# Allegro board meta_module_lay_rev1.brd (continued)
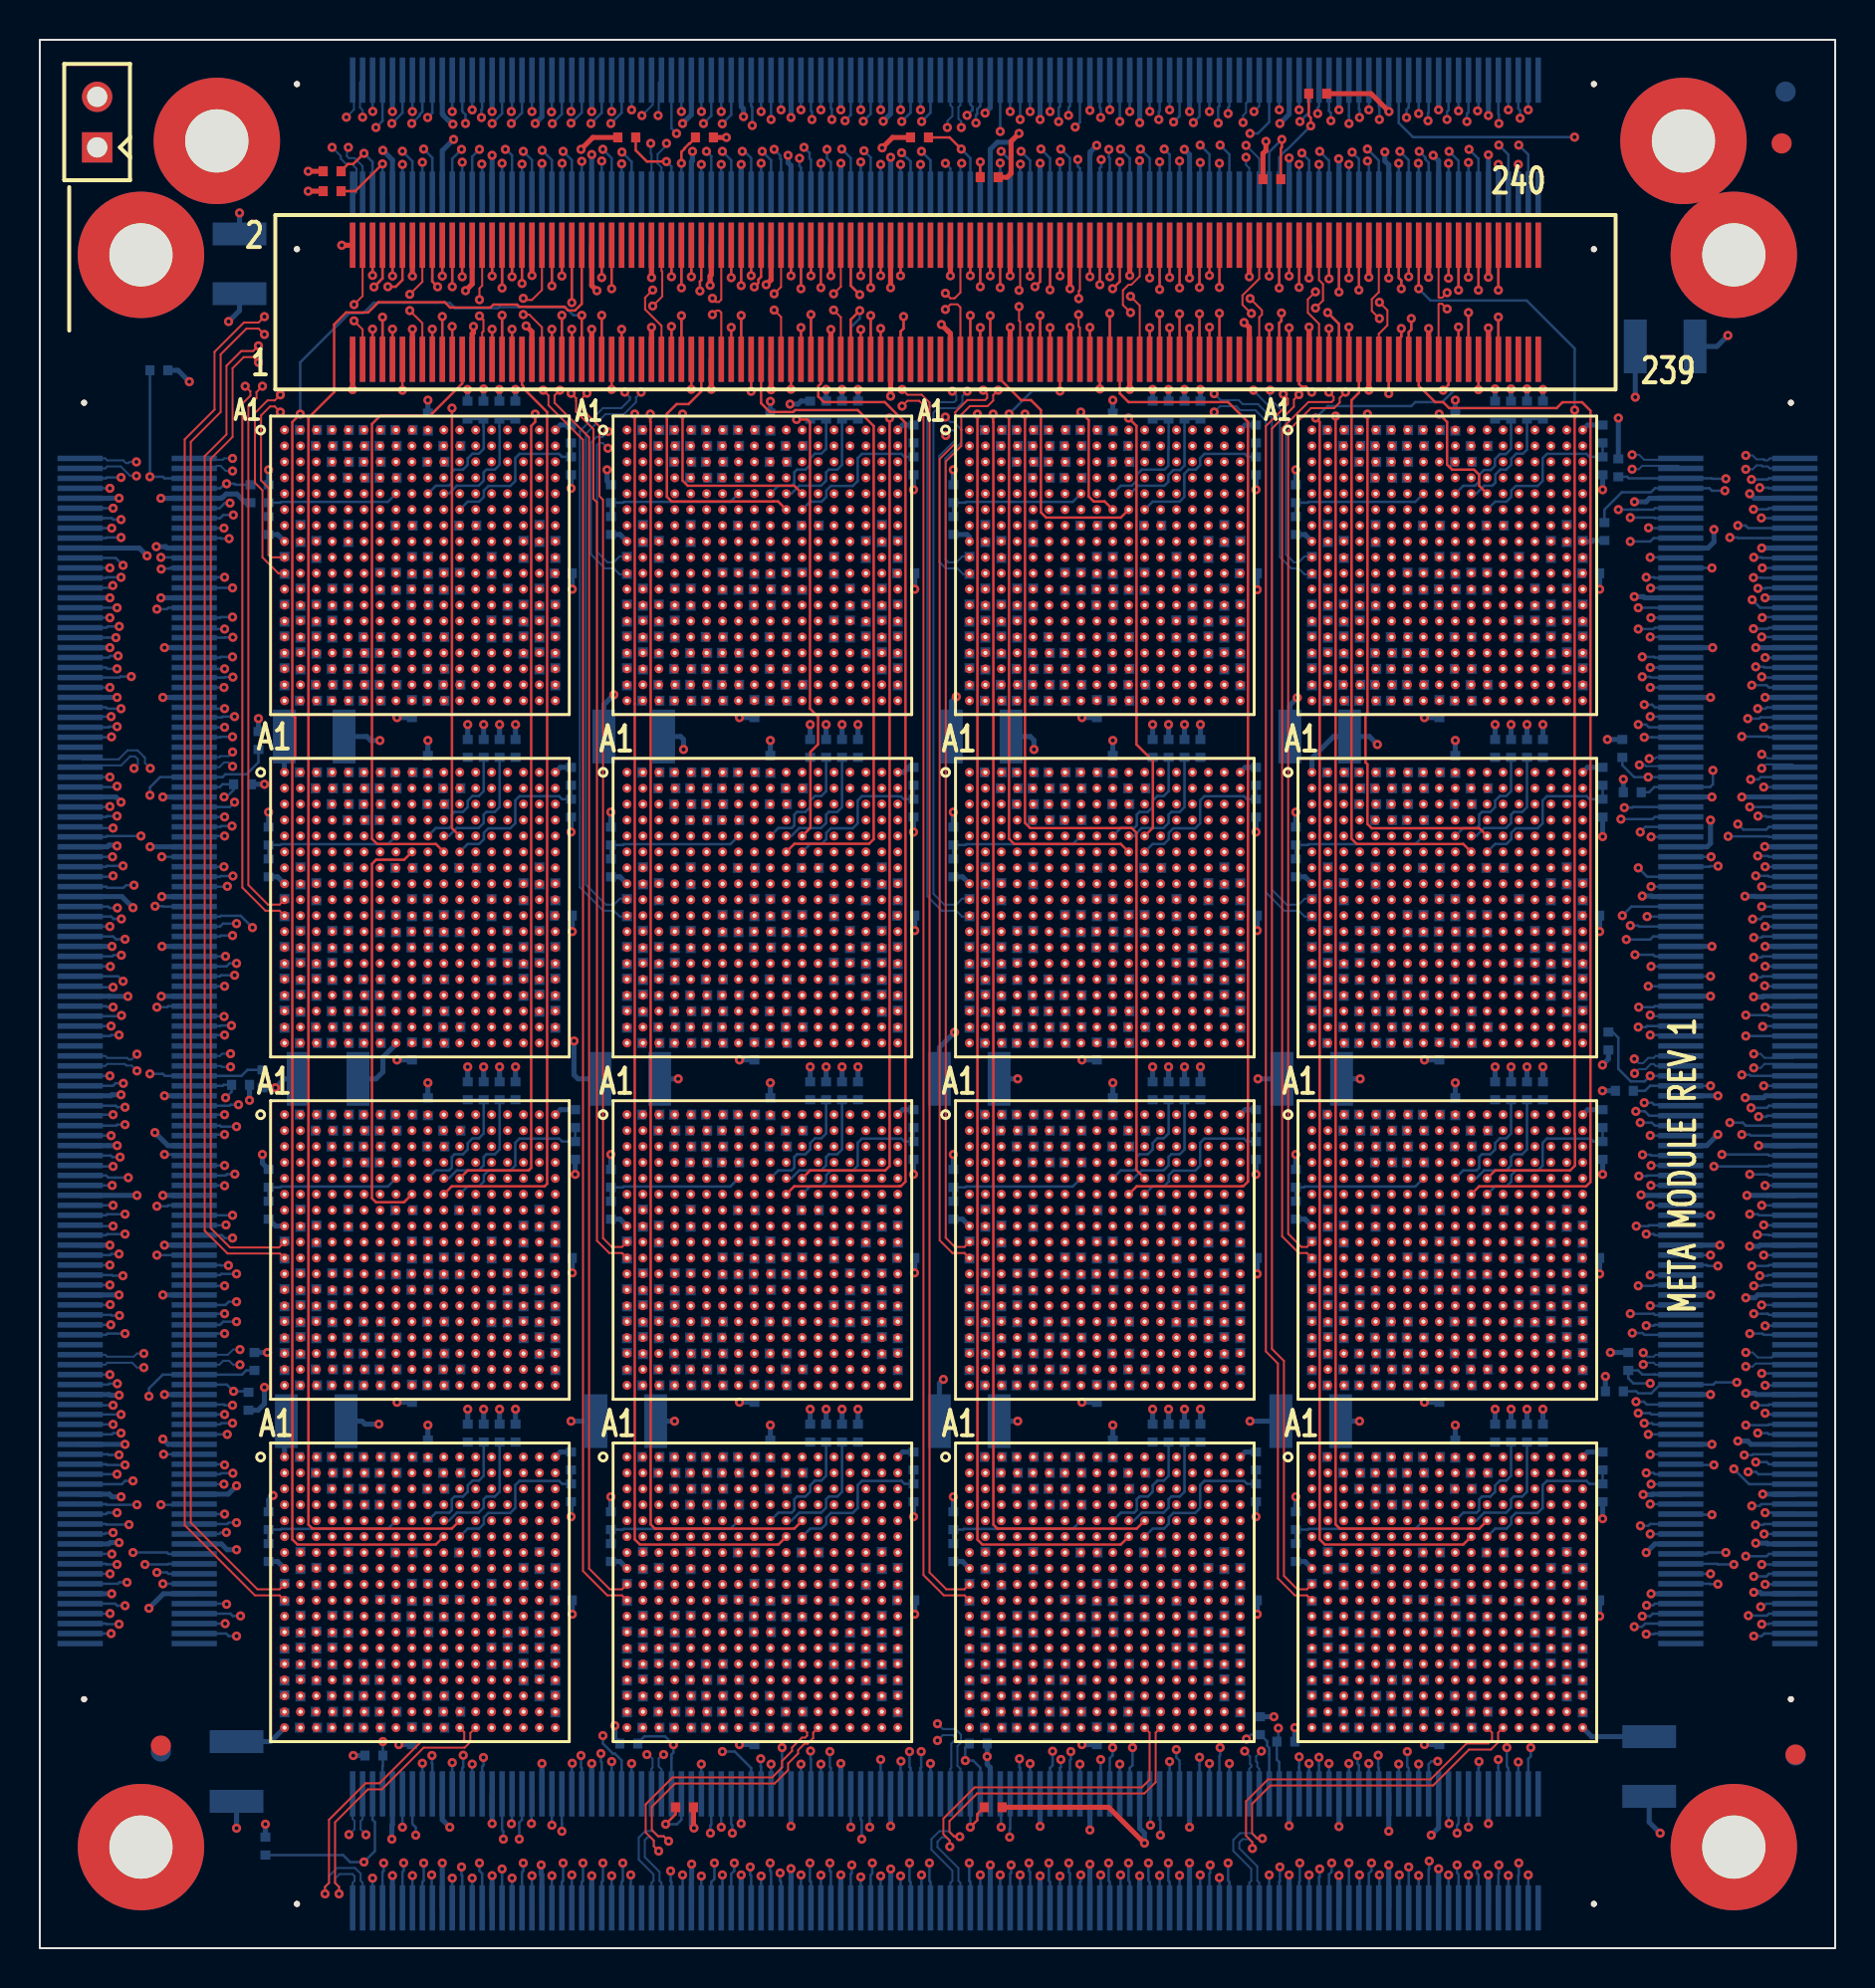
[diagram p0: board, top side]
## Nets (continued)
COLID1_SNOW4-3_TILE-3: R621.1 R625.2 U11.E11(COLID1)
COLID1_SNOW4-3_TILE-4: R678.1 R682.2 U12.E11(COLID1)
COLID1_SNOW4-4_TILE-1: R792.1 R796.2 U14.E11(COLID1)
COLID1_SNOW4-4_TILE-2: R735.1 R739.2 U13.E11(COLID1)
COLID1_SNOW4-4_TILE-3: R849.1 R853.2 U15.E11(COLID1)
COLID1_SNOW4-4_TILE-4: R906.1 R910.2 U16.E11(COLID1)
COLID2: J16.174(54) U1.E9(COLID2) U2.E9(COLID2) U3.E9(COLID2) U4.E9(COLID2) U5.E9(COLID2) U6.E9(COLID2) U7.E9(COLID2) U8.E9(COLID2) U9.E9(COLID2) U10.E9(COLID2) U11.E9(COLID2) U12.E9(COLID2) U13.E9(COLID2) U14.E9(COLID2) U15.E9(COLID2) U16.E9(COLID2)
COLID3: J16.176(56) U1.F9(COLID3) U2.F9(COLID3) U3.F9(COLID3) U4.F9(COLID3) U5.F9(COLID3) U6.F9(COLID3) U7.F9(COLID3) U8.F9(COLID3) U9.F9(COLID3) U10.F9(COLID3) U11.F9(COLID3) U12.F9(COLID3) U13.F9(COLID3) U14.F9(COLID3) U15.F9(COLID3) U16.F9(COLID3)
CTRL_IN0_LINK2: J5.59
CTRL_IN0_LINK3: J6.59
CTRL_IN0_LINK4-E: J3.181(1)
CTRL_IN0_N: J1.181(1)
CTRL_IN1_LINK2: J5.119(59)
CTRL_IN1_LINK3: J6.119(59)
CTRL_IN1_LINK4-E: J3.121(1)
CTRL_IN1_N: J1.121(1)
CTRL_IN2_LINK2: J5.179(59)
CTRL_IN2_LINK3: J6.179(59)
CTRL_IN2_LINK4-E: J3.61(1)
CTRL_IN2_N: J1.61(1)
CTRL_IN3_LINK2: J5.239(59)
CTRL_IN3_LINK3: J6.239(59)
CTRL_IN3_LINK4-E: J3.1
CTRL_IN3_N: J1.1
CTRL_OUT0_LINK2: J5.60
CTRL_OUT0_LINK3: J6.60
CTRL_OUT0_LINK4-E: J3.182(2)
CTRL_OUT0_N: J1.182(2)
CTRL_OUT1_LINK2: J5.120(60)
CTRL_OUT1_LINK3: J6.120(60)
CTRL_OUT1_LINK4-E: J3.122(2)
CTRL_OUT1_N: J1.122(2)
CTRL_OUT2_LINK2: J5.180(60)
CTRL_OUT2_LINK3: J6.180(60)
CTRL_OUT2_LINK4-E: J3.62(2)
CTRL_OUT2_N: J1.62(2)
CTRL_OUT3_LINK2: J5.240(60)
CTRL_OUT3_LINK3: J6.240(60)
CTRL_OUT3_LINK4-E: J3.2
CTRL_OUT3_N: J1.2
EA_DATA_IN_N0: J3.219(39) R241.2 U5.T18(EA_DATA_IN_N0)
EA_DATA_IN_N1: J3.215(35) R243.2 U5.R17(EA_DATA_IN_N1)
EA_DATA_IN_N2: J3.209(29) R245.2 U5.P16(EA_DATA_IN_N2)
EA_DATA_IN_N3: J3.205(25) R247.2 U5.N15(EA_DATA_IN_N3)
EA_DATA_IN_N4: J3.199(19) R249.2 U5.P18(EA_DATA_IN_N4)
EA_DATA_IN_N5: J3.195(15) R251.2 U5.N17(EA_DATA_IN_N5)
EA_DATA_IN_N6: J3.189(9) R242.2 U5.M16(EA_DATA_IN_N6)
EA_DATA_IN_N7: J3.185(5) R244.2 U5.L15(EA_DATA_IN_N7)
EA_DATA_IN_N8: J3.159(39) R298.2 U6.T18(EA_DATA_IN_N0)
EA_DATA_IN_N9: J3.155(35) R300.2 U6.R17(EA_DATA_IN_N1)
EA_DATA_IN_N10: J3.149(29) R302.2 U6.P16(EA_DATA_IN_N2)
EA_DATA_IN_N11: J3.145(25) R304.2 U6.N15(EA_DATA_IN_N3)
EA_DATA_IN_N12: J3.139(19) R306.2 U6.P18(EA_DATA_IN_N4)
EA_DATA_IN_N13: J3.135(15) R308.2 U6.N17(EA_DATA_IN_N5)
EA_DATA_IN_N14: J3.129(9) R299.2 U6.M16(EA_DATA_IN_N6)
EA_DATA_IN_N15: J3.125(5) R301.2 U6.L15(EA_DATA_IN_N7)
EA_DATA_IN_N16: J3.99(39) R697.2 U13.T18(EA_DATA_IN_N0)
EA_DATA_IN_N17: J3.95(35) R699.2 U13.R17(EA_DATA_IN_N1)
EA_DATA_IN_N18: J3.89(29) R701.2 U13.P16(EA_DATA_IN_N2)
EA_DATA_IN_N19: J3.85(25) R703.2 U13.N15(EA_DATA_IN_N3)
EA_DATA_IN_N20: J3.79(19) R705.2 U13.P18(EA_DATA_IN_N4)
EA_DATA_IN_N21: J3.75(15) R707.2 U13.N17(EA_DATA_IN_N5)
EA_DATA_IN_N22: J3.69(9) R698.2 U13.M16(EA_DATA_IN_N6)
EA_DATA_IN_N23: J3.65(5) R700.2 U13.L15(EA_DATA_IN_N7)
EA_DATA_IN_N24: J3.39 R754.2 U14.T18(EA_DATA_IN_N0)
EA_DATA_IN_N25: J3.35 R756.2 U14.R17(EA_DATA_IN_N1)
EA_DATA_IN_N26: J3.29 R758.2 U14.P16(EA_DATA_IN_N2)
EA_DATA_IN_N27: J3.25 R760.2 U14.N15(EA_DATA_IN_N3)
EA_DATA_IN_N28: J3.19 R762.2 U14.P18(EA_DATA_IN_N4)
EA_DATA_IN_N29: J3.15 R764.2 U14.N17(EA_DATA_IN_N5)
EA_DATA_IN_N30: J3.9 R755.2 U14.M16(EA_DATA_IN_N6)
EA_DATA_IN_N31: J3.5 R757.2 U14.L15(EA_DATA_IN_N7)
EA_DATA_IN_P0: J3.217(37) R241.1 U5.U18(EA_DATA_IN_P0)
EA_DATA_IN_P1: J3.213(33) R243.1 U5.T17(EA_DATA_IN_P1)
EA_DATA_IN_P2: J3.207(27) R245.1 U5.R16(EA_DATA_IN_P2)
EA_DATA_IN_P3: J3.203(23) R247.1 U5.P15(EA_DATA_IN_P3)
EA_DATA_IN_P4: J3.197(17) R249.1 U5.R18(EA_DATA_IN_P4)
EA_DATA_IN_P5: J3.193(13) R251.1 U5.P17(EA_DATA_IN_P5)
EA_DATA_IN_P6: J3.187(7) R242.1 U5.N16(EA_DATA_IN_P6)
EA_DATA_IN_P7: J3.183(3) R244.1 U5.M15(EA_DATA_IN_P7)
EA_DATA_IN_P8: J3.157(37) R298.1 U6.U18(EA_DATA_IN_P0)
EA_DATA_IN_P9: J3.153(33) R300.1 U6.T17(EA_DATA_IN_P1)
EA_DATA_IN_P10: J3.147(27) R302.1 U6.R16(EA_DATA_IN_P2)
EA_DATA_IN_P11: J3.143(23) R304.1 U6.P15(EA_DATA_IN_P3)
EA_DATA_IN_P12: J3.137(17) R306.1 U6.R18(EA_DATA_IN_P4)
EA_DATA_IN_P13: J3.133(13) R308.1 U6.P17(EA_DATA_IN_P5)
EA_DATA_IN_P14: J3.127(7) R299.1 U6.N16(EA_DATA_IN_P6)
EA_DATA_IN_P15: J3.123(3) R301.1 U6.M15(EA_DATA_IN_P7)
EA_DATA_IN_P16: J3.97(37) R697.1 U13.U18(EA_DATA_IN_P0)
EA_DATA_IN_P17: J3.93(33) R699.1 U13.T17(EA_DATA_IN_P1)
EA_DATA_IN_P18: J3.87(27) R701.1 U13.R16(EA_DATA_IN_P2)
EA_DATA_IN_P19: J3.83(23) R703.1 U13.P15(EA_DATA_IN_P3)
EA_DATA_IN_P20: J3.77(17) R705.1 U13.R18(EA_DATA_IN_P4)
EA_DATA_IN_P21: J3.73(13) R707.1 U13.P17(EA_DATA_IN_P5)
EA_DATA_IN_P22: J3.67(7) R698.1 U13.N16(EA_DATA_IN_P6)
EA_DATA_IN_P23: J3.63(3) R700.1 U13.M15(EA_DATA_IN_P7)
EA_DATA_IN_P24: J3.37 R754.1 U14.U18(EA_DATA_IN_P0)
EA_DATA_IN_P25: J3.33 R756.1 U14.T17(EA_DATA_IN_P1)
EA_DATA_IN_P26: J3.27 R758.1 U14.R16(EA_DATA_IN_P2)
EA_DATA_IN_P27: J3.23 R760.1 U14.P15(EA_DATA_IN_P3)
EA_DATA_IN_P28: J3.17 R762.1 U14.R18(EA_DATA_IN_P4)
EA_DATA_IN_P29: J3.13 R764.1 U14.P17(EA_DATA_IN_P5)
EA_DATA_IN_P30: J3.7 R755.1 U14.N16(EA_DATA_IN_P6)
EA_DATA_IN_P31: J3.3 R757.1 U14.M15(EA_DATA_IN_P7)
EA_DATA_OUT_N0: J3.220(40) U5.G15(EA_DATA_OUT_N0)
EA_DATA_OUT_N1: J3.216(36) U5.F16(EA_DATA_OUT_N1)
EA_DATA_OUT_N2: J3.210(30) U5.E17(EA_DATA_OUT_N2)
EA_DATA_OUT_N3: J3.206(26) U5.D18(EA_DATA_OUT_N3)
EA_DATA_OUT_N4: J3.200(20) U5.E15(EA_DATA_OUT_N4)
EA_DATA_OUT_N5: J3.196(16) U5.D16(EA_DATA_OUT_N5)
EA_DATA_OUT_N6: J3.190(10) U5.C17(EA_DATA_OUT_N6)
EA_DATA_OUT_N7: J3.186(6) U5.B18(EA_DATA_OUT_N7)
EA_DATA_OUT_N8: J3.160(40) U6.G15(EA_DATA_OUT_N0)
EA_DATA_OUT_N9: J3.156(36) U6.F16(EA_DATA_OUT_N1)
EA_DATA_OUT_N10: J3.150(30) U6.E17(EA_DATA_OUT_N2)
EA_DATA_OUT_N11: J3.146(26) U6.D18(EA_DATA_OUT_N3)
EA_DATA_OUT_N12: J3.140(20) U6.E15(EA_DATA_OUT_N4)
EA_DATA_OUT_N13: J3.136(16) U6.D16(EA_DATA_OUT_N5)
EA_DATA_OUT_N14: J3.130(10) U6.C17(EA_DATA_OUT_N6)
EA_DATA_OUT_N15: J3.126(6) U6.B18(EA_DATA_OUT_N7)
EA_DATA_OUT_N16: J3.100(40) U13.G15(EA_DATA_OUT_N0)
EA_DATA_OUT_N17: J3.96(36) U13.F16(EA_DATA_OUT_N1)
EA_DATA_OUT_N18: J3.90(30) U13.E17(EA_DATA_OUT_N2)
EA_DATA_OUT_N19: J3.86(26) U13.D18(EA_DATA_OUT_N3)
EA_DATA_OUT_N20: J3.80(20) U13.E15(EA_DATA_OUT_N4)
EA_DATA_OUT_N21: J3.76(16) U13.D16(EA_DATA_OUT_N5)
EA_DATA_OUT_N22: J3.70(10) U13.C17(EA_DATA_OUT_N6)
EA_DATA_OUT_N23: J3.66(6) U13.B18(EA_DATA_OUT_N7)
EA_DATA_OUT_N24: J3.40 U14.G15(EA_DATA_OUT_N0)
EA_DATA_OUT_N25: J3.36 U14.F16(EA_DATA_OUT_N1)
EA_DATA_OUT_N26: J3.30 U14.E17(EA_DATA_OUT_N2)
EA_DATA_OUT_N27: J3.26 U14.D18(EA_DATA_OUT_N3)
EA_DATA_OUT_N28: J3.20 U14.E15(EA_DATA_OUT_N4)
EA_DATA_OUT_N29: J3.16 U14.D16(EA_DATA_OUT_N5)
EA_DATA_OUT_N30: J3.10 U14.C17(EA_DATA_OUT_N6)
EA_DATA_OUT_N31: J3.6 U14.B18(EA_DATA_OUT_N7)
EA_DATA_OUT_P0: J3.218(38) U5.H15(EA_DATA_OUT_P0)
EA_DATA_OUT_P1: J3.214(34) U5.G16(EA_DATA_OUT_P1)
EA_DATA_OUT_P2: J3.208(28) U5.F17(EA_DATA_OUT_P2)
EA_DATA_OUT_P3: J3.204(24) U5.E18(EA_DATA_OUT_P3)
EA_DATA_OUT_P4: J3.198(18) U5.F15(EA_DATA_OUT_P4)
EA_DATA_OUT_P5: J3.194(14) U5.E16(EA_DATA_OUT_P5)
EA_DATA_OUT_P6: J3.188(8) U5.D17(EA_DATA_OUT_P6)
EA_DATA_OUT_P7: J3.184(4) U5.C18(EA_DATA_OUT_P7)
EA_DATA_OUT_P8: J3.158(38) U6.H15(EA_DATA_OUT_P0)
EA_DATA_OUT_P9: J3.154(34) U6.G16(EA_DATA_OUT_P1)
EA_DATA_OUT_P10: J3.148(28) U6.F17(EA_DATA_OUT_P2)
EA_DATA_OUT_P11: J3.144(24) U6.E18(EA_DATA_OUT_P3)
EA_DATA_OUT_P12: J3.138(18) U6.F15(EA_DATA_OUT_P4)
EA_DATA_OUT_P13: J3.134(14) U6.E16(EA_DATA_OUT_P5)
EA_DATA_OUT_P14: J3.128(8) U6.D17(EA_DATA_OUT_P6)
EA_DATA_OUT_P15: J3.124(4) U6.C18(EA_DATA_OUT_P7)
EA_DATA_OUT_P16: J3.98(38) U13.H15(EA_DATA_OUT_P0)
EA_DATA_OUT_P17: J3.94(34) U13.G16(EA_DATA_OUT_P1)
EA_DATA_OUT_P18: J3.88(28) U13.F17(EA_DATA_OUT_P2)
EA_DATA_OUT_P19: J3.84(24) U13.E18(EA_DATA_OUT_P3)
EA_DATA_OUT_P20: J3.78(18) U13.F15(EA_DATA_OUT_P4)
EA_DATA_OUT_P21: J3.74(14) U13.E16(EA_DATA_OUT_P5)
EA_DATA_OUT_P22: J3.68(8) U13.D17(EA_DATA_OUT_P6)
EA_DATA_OUT_P23: J3.64(4) U13.C18(EA_DATA_OUT_P7)
EA_DATA_OUT_P24: J3.38 U14.H15(EA_DATA_OUT_P0)
EA_DATA_OUT_P25: J3.34 U14.G16(EA_DATA_OUT_P1)
EA_DATA_OUT_P26: J3.28 U14.F17(EA_DATA_OUT_P2)
EA_DATA_OUT_P27: J3.24 U14.E18(EA_DATA_OUT_P3)
EA_DATA_OUT_P28: J3.18 U14.F15(EA_DATA_OUT_P4)
EA_DATA_OUT_P29: J3.14 U14.E16(EA_DATA_OUT_P5)
EA_DATA_OUT_P30: J3.8 U14.D17(EA_DATA_OUT_P6)
EA_DATA_OUT_P31: J3.4 U14.C18(EA_DATA_OUT_P7)
EA_FRAME_IN_N0: J3.235(55) R248.2 R1025.1 U5.L17(EA_FRAME_IN_N)
EA_FRAME_IN_N1: J3.175(55) R305.2 R1026.1 U6.L17(EA_FRAME_IN_N)
EA_FRAME_IN_N2: J3.115(55) R704.2 R1027.1 U13.L17(EA_FRAME_IN_N)
EA_FRAME_IN_N3: J3.55 R761.2 R1028.1 U14.L17(EA_FRAME_IN_N)
EA_FRAME_IN_P0: J3.233(53) R248.1 R1029.2 U5.M17(EA_FRAME_IN_P)
EA_FRAME_IN_P1: J3.173(53) R305.1 R1030.2 U6.M17(EA_FRAME_IN_P)
EA_FRAME_IN_P2: J3.113(53) R704.1 R1031.2 U13.M17(EA_FRAME_IN_P)
EA_FRAME_IN_P3: J3.53 R761.1 R1032.2 U14.M17(EA_FRAME_IN_P)
EA_FRAME_OUT_N0: J3.236(56) U5.J15(EA_FRAME_OUT_N)
EA_FRAME_OUT_N1: J3.176(56) U6.J15(EA_FRAME_OUT_N)
EA_FRAME_OUT_N2: J3.116(56) U13.J15(EA_FRAME_OUT_N)
EA_FRAME_OUT_N3: J3.56 U14.J15(EA_FRAME_OUT_N)
EA_FRAME_OUT_P0: J3.234(54) U5.K15(EA_FRAME_OUT_P)
EA_FRAME_OUT_P1: J3.174(54) U6.K15(EA_FRAME_OUT_P)
EA_FRAME_OUT_P2: J3.114(54) U13.K15(EA_FRAME_OUT_P)
EA_FRAME_OUT_P3: J3.54 U14.K15(EA_FRAME_OUT_P)
EA_LCLK_IN_N0: J3.239(59) R246.2 U5.M18(EA_LCLK_IN_N)
EA_LCLK_IN_N1: J3.179(59) R303.2 U6.M18(EA_LCLK_IN_N)
EA_LCLK_IN_N2: J3.119(59) R702.2 U13.M18(EA_LCLK_IN_N)
EA_LCLK_IN_N3: J3.59 R759.2 U14.M18(EA_LCLK_IN_N)
EA_LCLK_IN_P0: J3.237(57) R246.1 U5.N18(EA_LCLK_IN_P)
EA_LCLK_IN_P1: J3.177(57) R303.1 U6.N18(EA_LCLK_IN_P)
EA_LCLK_IN_P2: J3.117(57) R702.1 U13.N18(EA_LCLK_IN_P)
EA_LCLK_IN_P3: J3.57 R759.1 U14.N18(EA_LCLK_IN_P)
EA_LCLK_OUT_N0: J3.240(60) U5.F18(EA_LCLK_OUT_N)
EA_LCLK_OUT_N1: J3.180(60) U6.F18(EA_LCLK_OUT_N)
EA_LCLK_OUT_N2: J3.120(60) U13.F18(EA_LCLK_OUT_N)
EA_LCLK_OUT_N3: J3.60 U14.F18(EA_LCLK_OUT_N)
EA_LCLK_OUT_P0: J3.238(58) U5.G18(EA_LCLK_OUT_P)
EA_LCLK_OUT_P1: J3.178(58) U6.G18(EA_LCLK_OUT_P)
EA_LCLK_OUT_P2: J3.118(58) U13.G18(EA_LCLK_OUT_P)
EA_LCLK_OUT_P3: J3.58 U14.G18(EA_LCLK_OUT_P)
EA_WAIT_RD_IN_N0: J3.226(46) R250.2 U5.G17(EA_WAIT_RD_IN_N)
EA_WAIT_RD_IN_N1: J3.166(46) R307.2 U6.G17(EA_WAIT_RD_IN_N)
EA_WAIT_RD_IN_N2: J3.106(46) R706.2 U13.G17(EA_WAIT_RD_IN_N)
EA_WAIT_RD_IN_N3: J3.46 R763.2 U14.G17(EA_WAIT_RD_IN_N)
EA_WAIT_RD_IN_P0: J3.224(44) R250.1 U5.H17(EA_WAIT_RD_IN_P)
EA_WAIT_RD_IN_P1: J3.164(44) R307.1 U6.H17(EA_WAIT_RD_IN_P)
EA_WAIT_RD_IN_P2: J3.104(44) R706.1 U13.H17(EA_WAIT_RD_IN_P)
EA_WAIT_RD_IN_P3: J3.44 R763.1 U14.H17(EA_WAIT_RD_IN_P)
EA_WAIT_RD_OUT_N0: J3.225(45) U5.J17(EA_WAIT_RD_OUT_N)
EA_WAIT_RD_OUT_N1: J3.165(45) U6.J17(EA_WAIT_RD_OUT_N)
EA_WAIT_RD_OUT_N2: J3.105(45) U13.J17(EA_WAIT_RD_OUT_N)
EA_WAIT_RD_OUT_N3: J3.45 U14.J17(EA_WAIT_RD_OUT_N)
EA_WAIT_RD_OUT_P0: J3.223(43) U5.K17(EA_WAIT_RD_OUT_P)
EA_WAIT_RD_OUT_P1: J3.163(43) U6.K17(EA_WAIT_RD_OUT_P)
EA_WAIT_RD_OUT_P2: J3.103(43) U13.K17(EA_WAIT_RD_OUT_P)
EA_WAIT_RD_OUT_P3: J3.43 U14.K17(EA_WAIT_RD_OUT_P)
EA_WAIT_WR_IN_N0: J3.230(50) R252.2 U5.H16(EA_WAIT_WR_IN_N)
EA_WAIT_WR_IN_N1: J3.170(50) R309.2 U6.H16(EA_WAIT_WR_IN_N)
EA_WAIT_WR_IN_N2: J3.110(50) R708.2 U13.H16(EA_WAIT_WR_IN_N)
EA_WAIT_WR_IN_N3: J3.50 R765.2 U14.H16(EA_WAIT_WR_IN_N)
EA_WAIT_WR_IN_P0: J3.228(48) R252.1 U5.J16(EA_WAIT_WR_IN_P)
EA_WAIT_WR_IN_P1: J3.168(48) R309.1 U6.J16(EA_WAIT_WR_IN_P)
EA_WAIT_WR_IN_P2: J3.108(48) R708.1 U13.J16(EA_WAIT_WR_IN_P)
EA_WAIT_WR_IN_P3: J3.48 R765.1 U14.J16(EA_WAIT_WR_IN_P)
EA_WAIT_WR_OUT_N0: J3.229(49) U5.K16(EA_WAIT_WR_OUT_N)
EA_WAIT_WR_OUT_N1: J3.169(49) U6.K16(EA_WAIT_WR_OUT_N)
EA_WAIT_WR_OUT_N2: J3.109(49) U13.K16(EA_WAIT_WR_OUT_N)
EA_WAIT_WR_OUT_N3: J3.49 U14.K16(EA_WAIT_WR_OUT_N)
EA_WAIT_WR_OUT_P0: J3.227(47) U5.L16(EA_WAIT_WR_OUT_P)
EA_WAIT_WR_OUT_P1: J3.167(47) U6.L16(EA_WAIT_WR_OUT_P)
EA_WAIT_WR_OUT_P2: J3.107(47) U13.L16(EA_WAIT_WR_OUT_P)
EA_WAIT_WR_OUT_P3: J3.47 U14.L16(EA_WAIT_WR_OUT_P)
EW_DATA_N0: R367.2 U1.G15(EA_DATA_OUT_N0) U7.U1(WE_DATA_IN_N0)
EW_DATA_N0_SNOW4-1: R25.2 U1.U1(WE_DATA_IN_N0) U3.G15(EA_DATA_OUT_N0)
EW_DATA_N0_SNOW4-2: R253.2 U5.U1(WE_DATA_IN_N0) U7.G15(EA_DATA_OUT_N0)
EW_DATA_N0_SNOW4-3: R481.2 U9.U1(WE_DATA_IN_N0) U11.G15(EA_DATA_OUT_N0)
EW_DATA_N0_SNOW4-4: R709.2 U13.U1(WE_DATA_IN_N0) U15.G15(EA_DATA_OUT_N0)
EW_DATA_N1: R369.2 U1.F16(EA_DATA_OUT_N1) U7.T2(WE_DATA_IN_N1)
EW_DATA_N1_SNOW4-1: R27.2 U1.T2(WE_DATA_IN_N1) U3.F16(EA_DATA_OUT_N1)
EW_DATA_N1_SNOW4-2: R255.2 U5.T2(WE_DATA_IN_N1) U7.F16(EA_DATA_OUT_N1)
EW_DATA_N1_SNOW4-3: R483.2 U9.T2(WE_DATA_IN_N1) U11.F16(EA_DATA_OUT_N1)
EW_DATA_N1_SNOW4-4: R711.2 U13.T2(WE_DATA_IN_N1) U15.F16(EA_DATA_OUT_N1)
EW_DATA_N2: R371.2 U1.E17(EA_DATA_OUT_N2) U7.R3(WE_DATA_IN_N2)
EW_DATA_N2_SNOW4-1: R29.2 U1.R3(WE_DATA_IN_N2) U3.E17(EA_DATA_OUT_N2)
EW_DATA_N2_SNOW4-2: R257.2 U5.R3(WE_DATA_IN_N2) U7.E17(EA_DATA_OUT_N2)
EW_DATA_N2_SNOW4-3: R485.2 U9.R3(WE_DATA_IN_N2) U11.E17(EA_DATA_OUT_N2)
EW_DATA_N2_SNOW4-4: R713.2 U13.R3(WE_DATA_IN_N2) U15.E17(EA_DATA_OUT_N2)
EW_DATA_N3: R373.2 U1.D18(EA_DATA_OUT_N3) U7.P4(WE_DATA_IN_N3)
EW_DATA_N3_SNOW4-1: R31.2 U1.P4(WE_DATA_IN_N3) U3.D18(EA_DATA_OUT_N3)
EW_DATA_N3_SNOW4-2: R259.2 U5.P4(WE_DATA_IN_N3) U7.D18(EA_DATA_OUT_N3)
EW_DATA_N3_SNOW4-3: R487.2 U9.P4(WE_DATA_IN_N3) U11.D18(EA_DATA_OUT_N3)
EW_DATA_N3_SNOW4-4: R715.2 U13.P4(WE_DATA_IN_N3) U15.D18(EA_DATA_OUT_N3)
EW_DATA_N4: R375.2 U1.E15(EA_DATA_OUT_N4) U7.R1(WE_DATA_IN_N4)
EW_DATA_N4_SNOW4-1: R33.2 U1.R1(WE_DATA_IN_N4) U3.E15(EA_DATA_OUT_N4)
EW_DATA_N4_SNOW4-2: R261.2 U5.R1(WE_DATA_IN_N4) U7.E15(EA_DATA_OUT_N4)
EW_DATA_N4_SNOW4-3: R489.2 U9.R1(WE_DATA_IN_N4) U11.E15(EA_DATA_OUT_N4)
EW_DATA_N4_SNOW4-4: R717.2 U13.R1(WE_DATA_IN_N4) U15.E15(EA_DATA_OUT_N4)
EW_DATA_N5: R377.2 U1.D16(EA_DATA_OUT_N5) U7.P2(WE_DATA_IN_N5)
EW_DATA_N5_SNOW4-1: R35.2 U1.P2(WE_DATA_IN_N5) U3.D16(EA_DATA_OUT_N5)
EW_DATA_N5_SNOW4-2: R263.2 U5.P2(WE_DATA_IN_N5) U7.D16(EA_DATA_OUT_N5)
EW_DATA_N5_SNOW4-3: R491.2 U9.P2(WE_DATA_IN_N5) U11.D16(EA_DATA_OUT_N5)
EW_DATA_N5_SNOW4-4: R719.2 U13.P2(WE_DATA_IN_N5) U15.D16(EA_DATA_OUT_N5)
EW_DATA_N6: R368.2 U1.C17(EA_DATA_OUT_N6) U7.N3(WE_DATA_IN_N6)
EW_DATA_N6_SNOW4-1: R26.2 U1.N3(WE_DATA_IN_N6) U3.C17(EA_DATA_OUT_N6)
EW_DATA_N6_SNOW4-2: R254.2 U5.N3(WE_DATA_IN_N6) U7.C17(EA_DATA_OUT_N6)
EW_DATA_N6_SNOW4-3: R482.2 U9.N3(WE_DATA_IN_N6) U11.C17(EA_DATA_OUT_N6)
EW_DATA_N6_SNOW4-4: R710.2 U13.N3(WE_DATA_IN_N6) U15.C17(EA_DATA_OUT_N6)
EW_DATA_N7: R370.2 U1.B18(EA_DATA_OUT_N7) U7.M4(WE_DATA_IN_N7)
EW_DATA_N7_SNOW4-1: R28.2 U1.M4(WE_DATA_IN_N7) U3.B18(EA_DATA_OUT_N7)
EW_DATA_N7_SNOW4-2: R256.2 U5.M4(WE_DATA_IN_N7) U7.B18(EA_DATA_OUT_N7)
EW_DATA_N7_SNOW4-3: R484.2 U9.M4(WE_DATA_IN_N7) U11.B18(EA_DATA_OUT_N7)
EW_DATA_N7_SNOW4-4: R712.2 U13.M4(WE_DATA_IN_N7) U15.B18(EA_DATA_OUT_N7)
EW_DATA_N8: R424.2 U2.G15(EA_DATA_OUT_N0) U8.U1(WE_DATA_IN_N0)
EW_DATA_N8_SNOW4-1: R82.2 U2.U1(WE_DATA_IN_N0) U4.G15(EA_DATA_OUT_N0)
EW_DATA_N8_SNOW4-2: R310.2 U6.U1(WE_DATA_IN_N0) U8.G15(EA_DATA_OUT_N0)
EW_DATA_N8_SNOW4-3: R538.2 U10.U1(WE_DATA_IN_N0) U12.G15(EA_DATA_OUT_N0)
EW_DATA_N8_SNOW4-4: R766.2 U14.U1(WE_DATA_IN_N0) U16.G15(EA_DATA_OUT_N0)
EW_DATA_N9: R426.2 U2.F16(EA_DATA_OUT_N1) U8.T2(WE_DATA_IN_N1)
EW_DATA_N9_SNOW4-1: R84.2 U2.T2(WE_DATA_IN_N1) U4.F16(EA_DATA_OUT_N1)
EW_DATA_N9_SNOW4-2: R312.2 U6.T2(WE_DATA_IN_N1) U8.F16(EA_DATA_OUT_N1)
EW_DATA_N9_SNOW4-3: R540.2 U10.T2(WE_DATA_IN_N1) U12.F16(EA_DATA_OUT_N1)
EW_DATA_N9_SNOW4-4: R768.2 U14.T2(WE_DATA_IN_N1) U16.F16(EA_DATA_OUT_N1)
EW_DATA_N10: R428.2 U2.E17(EA_DATA_OUT_N2) U8.R3(WE_DATA_IN_N2)
EW_DATA_N10_SNOW4-1: R86.2 U2.R3(WE_DATA_IN_N2) U4.E17(EA_DATA_OUT_N2)
EW_DATA_N10_SNOW4-2: R314.2 U6.R3(WE_DATA_IN_N2) U8.E17(EA_DATA_OUT_N2)
EW_DATA_N10_SNOW4-3: R542.2 U10.R3(WE_DATA_IN_N2) U12.E17(EA_DATA_OUT_N2)
EW_DATA_N10_SNOW4-4: R770.2 U14.R3(WE_DATA_IN_N2) U16.E17(EA_DATA_OUT_N2)
EW_DATA_N11: R430.2 U2.D18(EA_DATA_OUT_N3) U8.P4(WE_DATA_IN_N3)
EW_DATA_N11_SNOW4-1: R88.2 U2.P4(WE_DATA_IN_N3) U4.D18(EA_DATA_OUT_N3)
EW_DATA_N11_SNOW4-2: R316.2 U6.P4(WE_DATA_IN_N3) U8.D18(EA_DATA_OUT_N3)
EW_DATA_N11_SNOW4-3: R544.2 U10.P4(WE_DATA_IN_N3) U12.D18(EA_DATA_OUT_N3)
EW_DATA_N11_SNOW4-4: R772.2 U14.P4(WE_DATA_IN_N3) U16.D18(EA_DATA_OUT_N3)
EW_DATA_N12: R432.2 U2.E15(EA_DATA_OUT_N4) U8.R1(WE_DATA_IN_N4)
EW_DATA_N12_SNOW4-1: R90.2 U2.R1(WE_DATA_IN_N4) U4.E15(EA_DATA_OUT_N4)
EW_DATA_N12_SNOW4-2: R318.2 U6.R1(WE_DATA_IN_N4) U8.E15(EA_DATA_OUT_N4)
EW_DATA_N12_SNOW4-3: R546.2 U10.R1(WE_DATA_IN_N4) U12.E15(EA_DATA_OUT_N4)
EW_DATA_N12_SNOW4-4: R774.2 U14.R1(WE_DATA_IN_N4) U16.E15(EA_DATA_OUT_N4)
EW_DATA_N13: R434.2 U2.D16(EA_DATA_OUT_N5) U8.P2(WE_DATA_IN_N5)
EW_DATA_N13_SNOW4-1: R92.2 U2.P2(WE_DATA_IN_N5) U4.D16(EA_DATA_OUT_N5)
EW_DATA_N13_SNOW4-2: R320.2 U6.P2(WE_DATA_IN_N5) U8.D16(EA_DATA_OUT_N5)
EW_DATA_N13_SNOW4-3: R548.2 U10.P2(WE_DATA_IN_N5) U12.D16(EA_DATA_OUT_N5)
EW_DATA_N13_SNOW4-4: R776.2 U14.P2(WE_DATA_IN_N5) U16.D16(EA_DATA_OUT_N5)
EW_DATA_N14: R425.2 U2.C17(EA_DATA_OUT_N6) U8.N3(WE_DATA_IN_N6)
EW_DATA_N14_SNOW4-1: R83.2 U2.N3(WE_DATA_IN_N6) U4.C17(EA_DATA_OUT_N6)
EW_DATA_N14_SNOW4-2: R311.2 U6.N3(WE_DATA_IN_N6) U8.C17(EA_DATA_OUT_N6)
EW_DATA_N14_SNOW4-3: R539.2 U10.N3(WE_DATA_IN_N6) U12.C17(EA_DATA_OUT_N6)
EW_DATA_N14_SNOW4-4: R767.2 U14.N3(WE_DATA_IN_N6) U16.C17(EA_DATA_OUT_N6)
EW_DATA_N15: R427.2 U2.B18(EA_DATA_OUT_N7) U8.M4(WE_DATA_IN_N7)
EW_DATA_N15_SNOW4-1: R85.2 U2.M4(WE_DATA_IN_N7) U4.B18(EA_DATA_OUT_N7)
EW_DATA_N15_SNOW4-2: R313.2 U6.M4(WE_DATA_IN_N7) U8.B18(EA_DATA_OUT_N7)
EW_DATA_N15_SNOW4-3: R541.2 U10.M4(WE_DATA_IN_N7) U12.B18(EA_DATA_OUT_N7)
EW_DATA_N15_SNOW4-4: R769.2 U14.M4(WE_DATA_IN_N7) U16.B18(EA_DATA_OUT_N7)
EW_DATA_N16: R823.2 U9.G15(EA_DATA_OUT_N0) U15.U1(WE_DATA_IN_N0)
EW_DATA_N17: R825.2 U9.F16(EA_DATA_OUT_N1) U15.T2(WE_DATA_IN_N1)
EW_DATA_N18: R827.2 U9.E17(EA_DATA_OUT_N2) U15.R3(WE_DATA_IN_N2)
EW_DATA_N19: R829.2 U9.D18(EA_DATA_OUT_N3) U15.P4(WE_DATA_IN_N3)
EW_DATA_N20: R831.2 U9.E15(EA_DATA_OUT_N4) U15.R1(WE_DATA_IN_N4)
EW_DATA_N21: R833.2 U9.D16(EA_DATA_OUT_N5) U15.P2(WE_DATA_IN_N5)
EW_DATA_N22: R824.2 U9.C17(EA_DATA_OUT_N6) U15.N3(WE_DATA_IN_N6)
EW_DATA_N23: R826.2 U9.B18(EA_DATA_OUT_N7) U15.M4(WE_DATA_IN_N7)
EW_DATA_N24: R880.2 U10.G15(EA_DATA_OUT_N0) U16.U1(WE_DATA_IN_N0)
EW_DATA_N25: R882.2 U10.F16(EA_DATA_OUT_N1) U16.T2(WE_DATA_IN_N1)
EW_DATA_N26: R884.2 U10.E17(EA_DATA_OUT_N2) U16.R3(WE_DATA_IN_N2)
EW_DATA_N27: R886.2 U10.D18(EA_DATA_OUT_N3) U16.P4(WE_DATA_IN_N3)
EW_DATA_N28: R888.2 U10.E15(EA_DATA_OUT_N4) U16.R1(WE_DATA_IN_N4)
EW_DATA_N29: R890.2 U10.D16(EA_DATA_OUT_N5) U16.P2(WE_DATA_IN_N5)
EW_DATA_N30: R881.2 U10.C17(EA_DATA_OUT_N6) U16.N3(WE_DATA_IN_N6)
EW_DATA_N31: R883.2 U10.B18(EA_DATA_OUT_N7) U16.M4(WE_DATA_IN_N7)
EW_DATA_P0: R367.1 U1.H15(EA_DATA_OUT_P0) U7.T1(WE_DATA_IN_P0)
EW_DATA_P0_SNOW4-1: R25.1 U1.T1(WE_DATA_IN_P0) U3.H15(EA_DATA_OUT_P0)
EW_DATA_P0_SNOW4-2: R253.1 U5.T1(WE_DATA_IN_P0) U7.H15(EA_DATA_OUT_P0)
EW_DATA_P0_SNOW4-3: R481.1 U9.T1(WE_DATA_IN_P0) U11.H15(EA_DATA_OUT_P0)
EW_DATA_P0_SNOW4-4: R709.1 U13.T1(WE_DATA_IN_P0) U15.H15(EA_DATA_OUT_P0)
EW_DATA_P1: R369.1 U1.G16(EA_DATA_OUT_P1) U7.R2(WE_DATA_IN_P1)
EW_DATA_P1_SNOW4-1: R27.1 U1.R2(WE_DATA_IN_P1) U3.G16(EA_DATA_OUT_P1)
EW_DATA_P1_SNOW4-2: R255.1 U5.R2(WE_DATA_IN_P1) U7.G16(EA_DATA_OUT_P1)
EW_DATA_P1_SNOW4-3: R483.1 U9.R2(WE_DATA_IN_P1) U11.G16(EA_DATA_OUT_P1)
EW_DATA_P1_SNOW4-4: R711.1 U13.R2(WE_DATA_IN_P1) U15.G16(EA_DATA_OUT_P1)
EW_DATA_P2: R371.1 U1.F17(EA_DATA_OUT_P2) U7.P3(WE_DATA_IN_P2)
EW_DATA_P2_SNOW4-1: R29.1 U1.P3(WE_DATA_IN_P2) U3.F17(EA_DATA_OUT_P2)
EW_DATA_P2_SNOW4-2: R257.1 U5.P3(WE_DATA_IN_P2) U7.F17(EA_DATA_OUT_P2)
EW_DATA_P2_SNOW4-3: R485.1 U9.P3(WE_DATA_IN_P2) U11.F17(EA_DATA_OUT_P2)
EW_DATA_P2_SNOW4-4: R713.1 U13.P3(WE_DATA_IN_P2) U15.F17(EA_DATA_OUT_P2)
EW_DATA_P3: R373.1 U1.E18(EA_DATA_OUT_P3) U7.N4(WE_DATA_IN_P3)
EW_DATA_P3_SNOW4-1: R31.1 U1.N4(WE_DATA_IN_P3) U3.E18(EA_DATA_OUT_P3)
EW_DATA_P3_SNOW4-2: R259.1 U5.N4(WE_DATA_IN_P3) U7.E18(EA_DATA_OUT_P3)
EW_DATA_P3_SNOW4-3: R487.1 U9.N4(WE_DATA_IN_P3) U11.E18(EA_DATA_OUT_P3)
EW_DATA_P3_SNOW4-4: R715.1 U13.N4(WE_DATA_IN_P3) U15.E18(EA_DATA_OUT_P3)
EW_DATA_P4: R375.1 U1.F15(EA_DATA_OUT_P4) U7.P1(WE_DATA_IN_P4)
EW_DATA_P4_SNOW4-1: R33.1 U1.P1(WE_DATA_IN_P4) U3.F15(EA_DATA_OUT_P4)
EW_DATA_P4_SNOW4-2: R261.1 U5.P1(WE_DATA_IN_P4) U7.F15(EA_DATA_OUT_P4)
EW_DATA_P4_SNOW4-3: R489.1 U9.P1(WE_DATA_IN_P4) U11.F15(EA_DATA_OUT_P4)
EW_DATA_P4_SNOW4-4: R717.1 U13.P1(WE_DATA_IN_P4) U15.F15(EA_DATA_OUT_P4)
EW_DATA_P5: R377.1 U1.E16(EA_DATA_OUT_P5) U7.N2(WE_DATA_IN_P5)
EW_DATA_P5_SNOW4-1: R35.1 U1.N2(WE_DATA_IN_P5) U3.E16(EA_DATA_OUT_P5)
EW_DATA_P5_SNOW4-2: R263.1 U5.N2(WE_DATA_IN_P5) U7.E16(EA_DATA_OUT_P5)
EW_DATA_P5_SNOW4-3: R491.1 U9.N2(WE_DATA_IN_P5) U11.E16(EA_DATA_OUT_P5)
EW_DATA_P5_SNOW4-4: R719.1 U13.N2(WE_DATA_IN_P5) U15.E16(EA_DATA_OUT_P5)
EW_DATA_P6: R368.1 U1.D17(EA_DATA_OUT_P6) U7.M3(WE_DATA_IN_P6)
EW_DATA_P6_SNOW4-1: R26.1 U1.M3(WE_DATA_IN_P6) U3.D17(EA_DATA_OUT_P6)
EW_DATA_P6_SNOW4-2: R254.1 U5.M3(WE_DATA_IN_P6) U7.D17(EA_DATA_OUT_P6)
EW_DATA_P6_SNOW4-3: R482.1 U9.M3(WE_DATA_IN_P6) U11.D17(EA_DATA_OUT_P6)
EW_DATA_P6_SNOW4-4: R710.1 U13.M3(WE_DATA_IN_P6) U15.D17(EA_DATA_OUT_P6)
EW_DATA_P7: R370.1 U1.C18(EA_DATA_OUT_P7) U7.L4(WE_DATA_IN_P7)
EW_DATA_P7_SNOW4-1: R28.1 U1.L4(WE_DATA_IN_P7) U3.C18(EA_DATA_OUT_P7)
EW_DATA_P7_SNOW4-2: R256.1 U5.L4(WE_DATA_IN_P7) U7.C18(EA_DATA_OUT_P7)
EW_DATA_P7_SNOW4-3: R484.1 U9.L4(WE_DATA_IN_P7) U11.C18(EA_DATA_OUT_P7)
EW_DATA_P7_SNOW4-4: R712.1 U13.L4(WE_DATA_IN_P7) U15.C18(EA_DATA_OUT_P7)
EW_DATA_P8: R424.1 U2.H15(EA_DATA_OUT_P0) U8.T1(WE_DATA_IN_P0)
EW_DATA_P8_SNOW4-1: R82.1 U2.T1(WE_DATA_IN_P0) U4.H15(EA_DATA_OUT_P0)
EW_DATA_P8_SNOW4-2: R310.1 U6.T1(WE_DATA_IN_P0) U8.H15(EA_DATA_OUT_P0)
EW_DATA_P8_SNOW4-3: R538.1 U10.T1(WE_DATA_IN_P0) U12.H15(EA_DATA_OUT_P0)
EW_DATA_P8_SNOW4-4: R766.1 U14.T1(WE_DATA_IN_P0) U16.H15(EA_DATA_OUT_P0)
EW_DATA_P9: R426.1 U2.G16(EA_DATA_OUT_P1) U8.R2(WE_DATA_IN_P1)
EW_DATA_P9_SNOW4-1: R84.1 U2.R2(WE_DATA_IN_P1) U4.G16(EA_DATA_OUT_P1)
EW_DATA_P9_SNOW4-2: R312.1 U6.R2(WE_DATA_IN_P1) U8.G16(EA_DATA_OUT_P1)
EW_DATA_P9_SNOW4-3: R540.1 U10.R2(WE_DATA_IN_P1) U12.G16(EA_DATA_OUT_P1)
EW_DATA_P9_SNOW4-4: R768.1 U14.R2(WE_DATA_IN_P1) U16.G16(EA_DATA_OUT_P1)
EW_DATA_P10: R428.1 U2.F17(EA_DATA_OUT_P2) U8.P3(WE_DATA_IN_P2)
EW_DATA_P10_SNOW4-1: R86.1 U2.P3(WE_DATA_IN_P2) U4.F17(EA_DATA_OUT_P2)
EW_DATA_P10_SNOW4-2: R314.1 U6.P3(WE_DATA_IN_P2) U8.F17(EA_DATA_OUT_P2)
EW_DATA_P10_SNOW4-3: R542.1 U10.P3(WE_DATA_IN_P2) U12.F17(EA_DATA_OUT_P2)
EW_DATA_P10_SNOW4-4: R770.1 U14.P3(WE_DATA_IN_P2) U16.F17(EA_DATA_OUT_P2)
EW_DATA_P11: R430.1 U2.E18(EA_DATA_OUT_P3) U8.N4(WE_DATA_IN_P3)
EW_DATA_P11_SNOW4-1: R88.1 U2.N4(WE_DATA_IN_P3) U4.E18(EA_DATA_OUT_P3)
EW_DATA_P11_SNOW4-2: R316.1 U6.N4(WE_DATA_IN_P3) U8.E18(EA_DATA_OUT_P3)
EW_DATA_P11_SNOW4-3: R544.1 U10.N4(WE_DATA_IN_P3) U12.E18(EA_DATA_OUT_P3)
EW_DATA_P11_SNOW4-4: R772.1 U14.N4(WE_DATA_IN_P3) U16.E18(EA_DATA_OUT_P3)
EW_DATA_P12: R432.1 U2.F15(EA_DATA_OUT_P4) U8.P1(WE_DATA_IN_P4)
EW_DATA_P12_SNOW4-1: R90.1 U2.P1(WE_DATA_IN_P4) U4.F15(EA_DATA_OUT_P4)
EW_DATA_P12_SNOW4-2: R318.1 U6.P1(WE_DATA_IN_P4) U8.F15(EA_DATA_OUT_P4)
EW_DATA_P12_SNOW4-3: R546.1 U10.P1(WE_DATA_IN_P4) U12.F15(EA_DATA_OUT_P4)
EW_DATA_P12_SNOW4-4: R774.1 U14.P1(WE_DATA_IN_P4) U16.F15(EA_DATA_OUT_P4)
EW_DATA_P13: R434.1 U2.E16(EA_DATA_OUT_P5) U8.N2(WE_DATA_IN_P5)
EW_DATA_P13_SNOW4-1: R92.1 U2.N2(WE_DATA_IN_P5) U4.E16(EA_DATA_OUT_P5)
EW_DATA_P13_SNOW4-2: R320.1 U6.N2(WE_DATA_IN_P5) U8.E16(EA_DATA_OUT_P5)
EW_DATA_P13_SNOW4-3: R548.1 U10.N2(WE_DATA_IN_P5) U12.E16(EA_DATA_OUT_P5)
EW_DATA_P13_SNOW4-4: R776.1 U14.N2(WE_DATA_IN_P5) U16.E16(EA_DATA_OUT_P5)
EW_DATA_P14: R425.1 U2.D17(EA_DATA_OUT_P6) U8.M3(WE_DATA_IN_P6)
EW_DATA_P14_SNOW4-1: R83.1 U2.M3(WE_DATA_IN_P6) U4.D17(EA_DATA_OUT_P6)
EW_DATA_P14_SNOW4-2: R311.1 U6.M3(WE_DATA_IN_P6) U8.D17(EA_DATA_OUT_P6)
EW_DATA_P14_SNOW4-3: R539.1 U10.M3(WE_DATA_IN_P6) U12.D17(EA_DATA_OUT_P6)
EW_DATA_P14_SNOW4-4: R767.1 U14.M3(WE_DATA_IN_P6) U16.D17(EA_DATA_OUT_P6)
EW_DATA_P15: R427.1 U2.C18(EA_DATA_OUT_P7) U8.L4(WE_DATA_IN_P7)
EW_DATA_P15_SNOW4-1: R85.1 U2.L4(WE_DATA_IN_P7) U4.C18(EA_DATA_OUT_P7)
EW_DATA_P15_SNOW4-2: R313.1 U6.L4(WE_DATA_IN_P7) U8.C18(EA_DATA_OUT_P7)
EW_DATA_P15_SNOW4-3: R541.1 U10.L4(WE_DATA_IN_P7) U12.C18(EA_DATA_OUT_P7)
EW_DATA_P15_SNOW4-4: R769.1 U14.L4(WE_DATA_IN_P7) U16.C18(EA_DATA_OUT_P7)
EW_DATA_P16: R823.1 U9.H15(EA_DATA_OUT_P0) U15.T1(WE_DATA_IN_P0)
EW_DATA_P17: R825.1 U9.G16(EA_DATA_OUT_P1) U15.R2(WE_DATA_IN_P1)
EW_DATA_P18: R827.1 U9.F17(EA_DATA_OUT_P2) U15.P3(WE_DATA_IN_P2)
EW_DATA_P19: R829.1 U9.E18(EA_DATA_OUT_P3) U15.N4(WE_DATA_IN_P3)
EW_DATA_P20: R831.1 U9.F15(EA_DATA_OUT_P4) U15.P1(WE_DATA_IN_P4)
EW_DATA_P21: R833.1 U9.E16(EA_DATA_OUT_P5) U15.N2(WE_DATA_IN_P5)
EW_DATA_P22: R824.1 U9.D17(EA_DATA_OUT_P6) U15.M3(WE_DATA_IN_P6)
EW_DATA_P23: R826.1 U9.C18(EA_DATA_OUT_P7) U15.L4(WE_DATA_IN_P7)
EW_DATA_P24: R880.1 U10.H15(EA_DATA_OUT_P0) U16.T1(WE_DATA_IN_P0)
EW_DATA_P25: R882.1 U10.G16(EA_DATA_OUT_P1) U16.R2(WE_DATA_IN_P1)
EW_DATA_P26: R884.1 U10.F17(EA_DATA_OUT_P2) U16.P3(WE_DATA_IN_P2)
EW_DATA_P27: R886.1 U10.E18(EA_DATA_OUT_P3) U16.N4(WE_DATA_IN_P3)
EW_DATA_P28: R888.1 U10.F15(EA_DATA_OUT_P4) U16.P1(WE_DATA_IN_P4)
